# Altium PCB RFSOC_SAWG.PcbDoc (part 10 of 15)
Units mm, origin at the board's own origin, x right, y up, seen from the top; angles counter-clockwise.
Board outline 221.25 x 100 mm, 8 copper layers (Top Layer, Mid-Layer 2, Mid-Layer 3, Mid-Layer 4, Mid-Layer 5, Mid-Layer 6, Mid-Layer 7, Bottom Layer), stack 1.455 mm thick; 1107 components, 833 nets, 3980 pads, 2483 vias.
Unrouted connection lines stored in the file: 1.
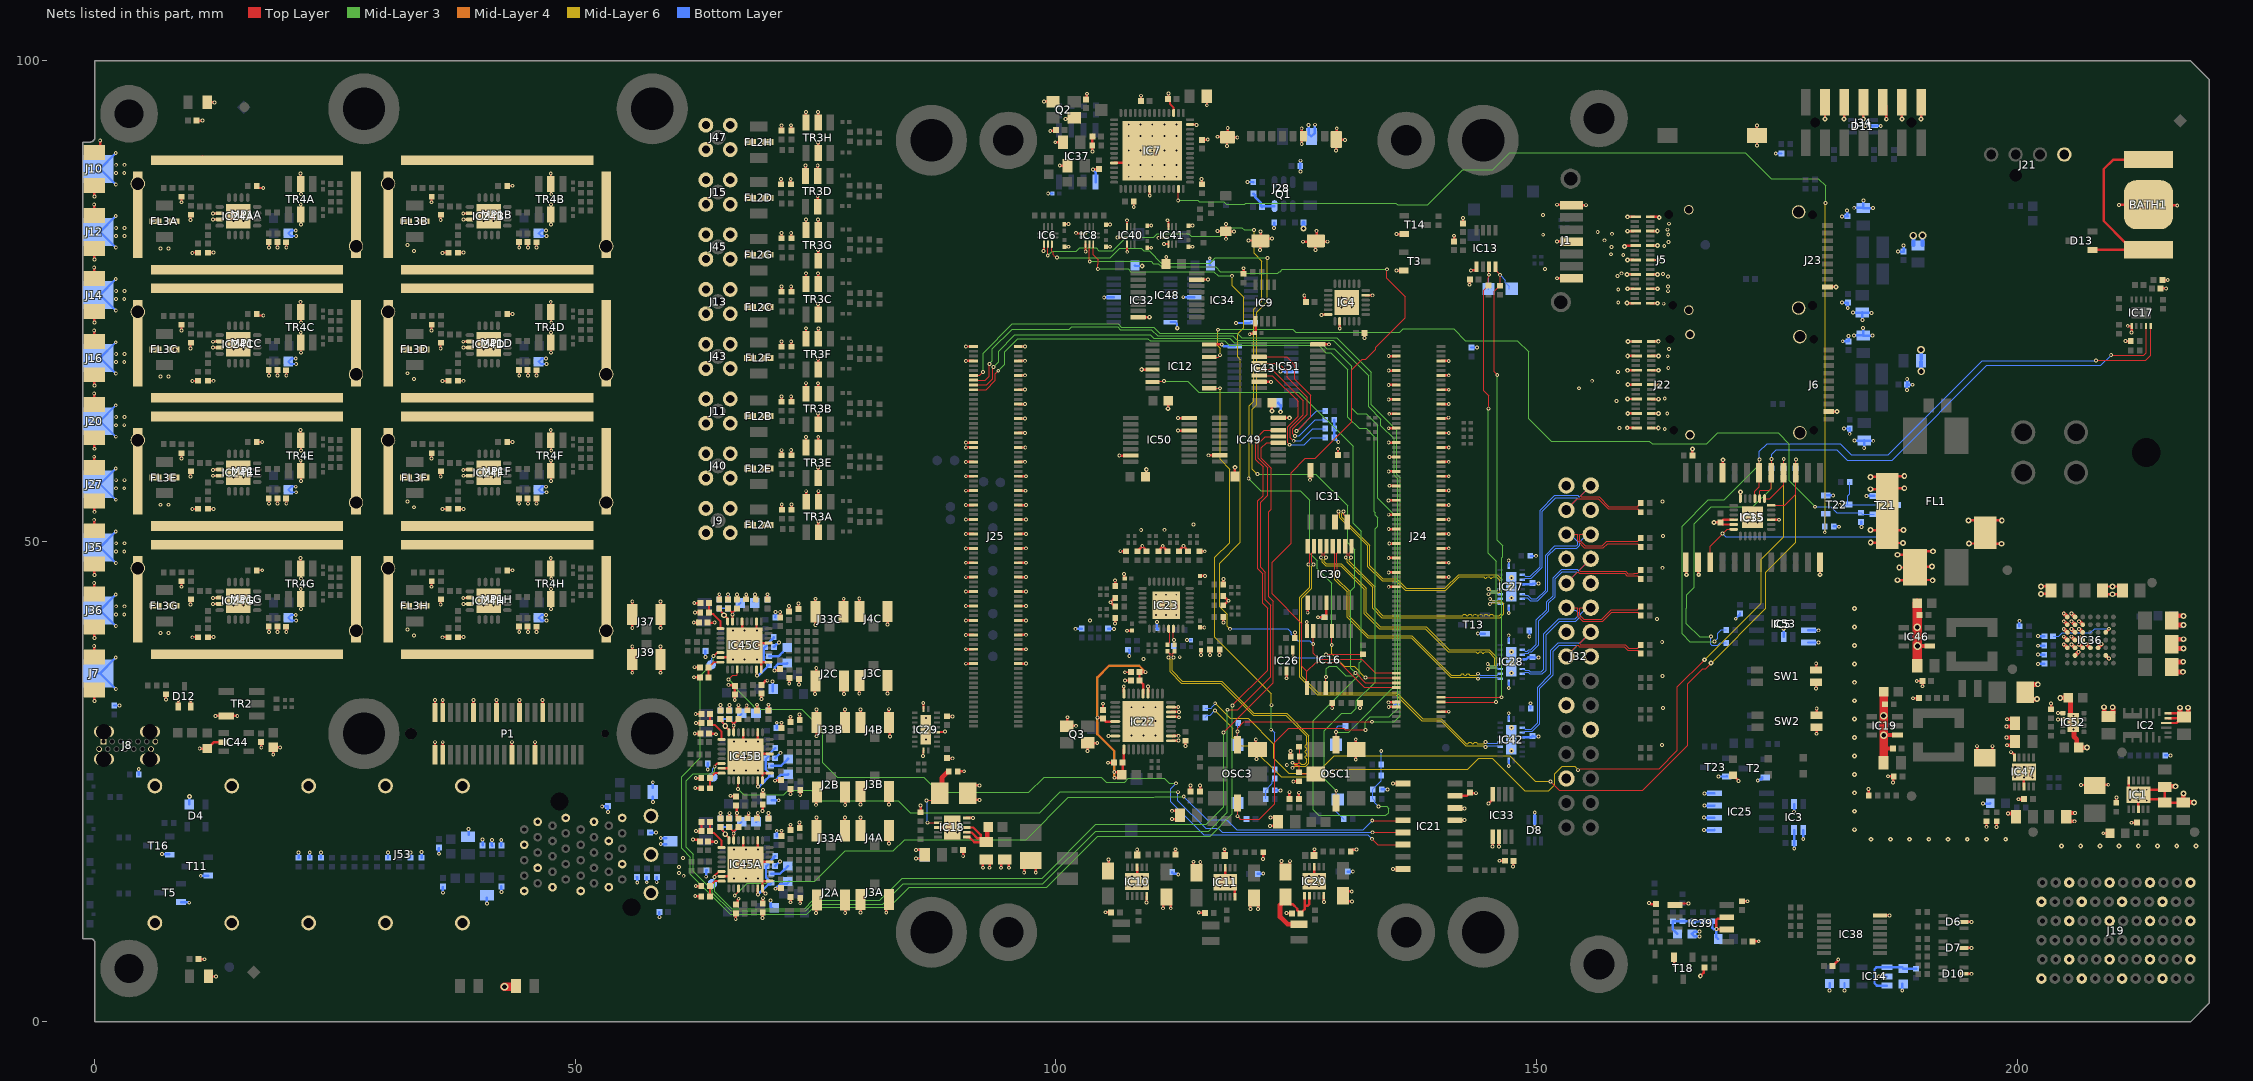
[diagram p16: the nets of this part, all layers, seen from the top]

## Via types
v1: diameter 0.4, hole 0.2, Top Layer to Bottom Layer, tented both sides, 1996 vias
v2: diameter 0.55, hole 0.2, Top Layer to Bottom Layer, 149 vias
v3: diameter 0.5, hole 0.2, Top Layer to Bottom Layer, tented both sides, 106 vias
v4: diameter 0.6, hole 0.3, Top Layer to Bottom Layer, tented both sides, 99 vias
v5: diameter 0.4, hole 0.15, Top Layer to Bottom Layer, tented both sides, 60 vias
v6: diameter 0.6, hole 0.3, Top Layer to Bottom Layer, 32 vias
v7: diameter 0.8, hole 0.5, Top Layer to Bottom Layer, tented both sides, 23 vias
v8: diameter 0.3/0.4/0.4/0.4/0.4/0.3 (per signal layer), hole 0.2, Top Layer to Bottom Layer, tented both sides, 12 vias
v9: diameter 0.4, hole 0.2, Top Layer to Bottom Layer, 5 vias
v10: diameter 0.5, hole 0.2, Top Layer to Bottom Layer, 1 vias

## Nets (pads, with @x,y where several pads share a name; then routed paths per layer and width w, separated by ;. In a path a pad name is that pad's centre, name@x,y a point inside that pad or via, vN(x,y) a via of type N, cw(c..) or ccw(c..) an arc to the next point about the centre after c; other vN are vias at no path point) (continued)
GND: (continued)
  Bottom Layer w0.5: v4@217.092,41.248 217.264,41.248 v4(217.315,41.299)
  other v1: 130.825,12.536 130.784,13.577 61.275,15.2 60.8,15.5 96.703,15.541 97.903,15.541 92.403,16.041 93.103,16.041 94.303,16.041 95.103,16.041 60.8,16.1 71.28,16.698 61.2,17.05 90.353,17.241 21.199,17.638 22.362,17.638 30.508,17.638 33.999,17.668 108.457,17.934 117.557,17.959 126.897,17.959 146.094,18.258 71.444,19.884 72.369,20.509 91.384,21.228 53.385,21.843 85.922,22.509 92.059,23.103 92.059,24.603 90.459,26.078 124.025,26.725 163.05,28.8 105.457,29.741 71.444,31.125 72.369,31.75 163.175,32.675 112.728,32.753 -0.038,33.385 107.059,34.911 109.581,34.907 163.125,36 109.116,37.745 112.883,37.943 204.862,39.279 163.083,39.527 -0.038,39.948 204.862,40.079 33.225,40.215 6.833,40.475 7.675,40.475 32.55,40.815 204.862,40.879 110.512,41.602 204.862,41.679 103.55,41.75 162.536,41.931 2.216,42.392 3.063,42.395 204.862,42.479 71.316,42.659 2.225,43.238 3.075,43.238 72.241,43.284 105.667,43.662 117.946,43.819 -0.062,45.677 -0.038,46.51 163.133,47.245 2.216,48.954 3.063,48.958 108.99,49.535 113.26,49.535 2.225,49.8 3.075,49.8 108.875,51.166 111.3,51.2 114.325,51.75 -0.062,52.24 -0.038,53.073 33.225,53.55 6.833,53.81 7.675,53.81 32.55,54.15 2.216,55.517 3.063,55.52 2.225,56.363 3.075,56.363 -0.062,58.802 -0.038,59.635 163.35,61.7 158.625,61.8 2.216,62.079 3.063,62.083 96.8,62.774 2.225,62.925 3.075,62.925 163.608,63.31 96.8,64.274 158.337,64.612 163.35,64.875 -0.062,65.365 154.429,65.931 -0.038,66.198 155.8,66.7 33.225,66.885 6.833,67.145 7.675,67.145 32.55,67.485 158.499,67.622 163.721,68.021 2.216,68.642 3.063,68.645 163.655,69.261 2.225,69.488 3.075,69.488 163.775,70.025 96.8,70.274 -0.062,71.927 -0.038,72.76 163.238,74.725 158.514,74.84 2.216,75.204 3.063,75.208 163.69,76.028 2.225,76.05 3.075,76.05 158.514,76.204 163.691,76.522 163.682,77.543 158.425,77.61 163.152,77.815 158.867,77.888 150.875,78.35 -0.062,78.49 -0.038,79.323 159.028,79.79 157.756,79.873 33.225,80.22 6.833,80.48 7.675,80.48 157.793,80.612 163.298,80.719 32.55,80.82 163.729,81.128 157.08,81.319 2.216,81.767 3.075,81.77 150.7,81.9 163.716,81.92 157.854,81.995 156.372,82.175 163.623,82.425 2.225,82.613 3.075,82.613 163.775,83.05 150.675,83.95 -0.062,85.052 -0.038,85.885 2.216,88.329 3.063,88.333 2.225,89.175 3.075,89.175 0.563,91.69
  other v2: 117.097,14.015 118.147,14.015 107.922,14.09 108.972,14.09 126.347,14.115 127.397,14.115 66.522,14.934 67.747,14.934 69.022,14.934 117.097,15.065 118.147,15.065 107.922,15.14 108.972,15.14 126.347,15.165 127.397,15.165 66.522,16.434 67.747,16.434 66.522,17.934 67.747,17.934 69.022,17.934 211.75,23.1 212.65,24.175 201.625,25.436 199.8,25.461 67.747,26.175 69.022,26.175 199.8,26.511 200.723,26.5 201.623,26.525 66.522,27.675 67.747,27.675 69.022,27.675 147.4,28.2 66.522,29.175 67.747,29.175 147.378,29.359 86.475,29.4 107.872,29.79 109.097,29.79 110.372,29.79 86.475,30.4 147.4,30.6 205.875,31.15 107.872,31.29 109.097,31.29 110.372,31.29 86.475,31.6 107.872,32.74 109.097,32.74 110.372,32.74 147.4,36.3 147.4,37.3 66.394,37.708 67.619,37.708 68.894,37.708 147.4,38.5 66.394,39.208 67.619,39.208 68.894,39.208 66.394,40.708 67.619,40.708 68.894,40.708 110.422,42.34 111.472,42.34 112.522,42.34 14.411,43.304 15.461,43.304 40.446,43.304 41.496,43.304 110.422,43.39 111.472,43.39 112.522,43.39 147.4,44.1 14.411,44.354 15.461,44.354 40.446,44.354 41.496,44.354 110.422,44.44 111.472,44.44 112.522,44.44 147.378,45.264 147.4,46.2 171.947,51.965 172.997,51.965 171.947,53.015 172.997,53.015 14.411,56.639 15.461,56.639 40.446,56.639 41.496,56.639 14.411,57.689 15.461,57.689 40.446,57.689 41.496,57.689 14.411,69.974 15.461,69.974 40.446,69.974 41.496,69.974 14.411,71.024 15.461,71.024 40.446,71.024 41.496,71.024 129.735,74.322 130.785,74.322 129.735,75.372 130.785,75.372 14.411,83.309 15.461,83.309 40.446,83.309 41.496,83.309 14.411,84.359 15.461,84.359 40.446,84.359 41.496,84.359 107.577,87.935 108.802,87.935 110.027,87.935 111.302,87.935 112.527,87.935 107.577,89.16 108.802,89.16 110.027,89.16 111.302,89.16 112.527,89.16 107.577,90.66 108.802,90.66 110.027,90.66 111.302,90.66 112.527,90.66 107.577,92.16 108.802,92.16 110.027,92.16 111.302,92.16 112.527,92.16 107.577,93.385 108.802,93.385 110.027,93.385 111.302,93.385 112.527,93.385
  other v3: 204.625,18.3 206.625,18.3 208.625,18.3 210.625,18.3 212.625,18.3 214.625,18.3 216.625,18.3 218.625,18.3 184.825,19 186.825,19 188.825,19 190.825,19 192.825,19 194.825,19 196.825,19 198.825,19 88.697,19.715 89.747,19.715 183.1,20 88.697,20.765 89.747,20.765 183.1,21.917 183.1,23.833 183.1,25.75 183.1,27.667 183.1,29.583 183.1,31.5 183.1,33.417 183.1,35.333 183.1,37.25 183.1,39.167 183.1,41.083 183.1,43
  other v4: 218.415,22.831 217.319,23.765 216.49,24.506 207.294,28.544 216.956,32.694 217.806,32.694 209.056,32.744 209.954,32.735 202.094,33.594 204.504,33.696 202.169,35.119 217.294,37.469 202.5,45.314 184.775,49.875 184.748,51.175 184.75,55.425 125.762,82.538
  other v6: 6.145,43.295 8.355,43.295 32.18,43.295 34.39,43.295 67.984,51.7 70.194,51.7 6.145,56.63 8.355,56.63 32.18,56.63 34.39,56.63 67.984,57.575 70.194,57.575 67.984,63.025 70.194,63.025 67.984,69.076 70.194,69.076 6.145,69.965 8.355,69.965 32.18,69.965 34.39,69.965 67.984,74.375 70.194,74.375 67.984,79.825 70.194,79.825 6.145,83.3 8.355,83.3 32.18,83.3 34.39,83.3 67.984,85.739 70.194,85.739 67.984,91.532 70.194,91.532
  other v7: 186.138,29.823 186.125,31.85 190.037,67.681 190.019,69.933 189.208,81.806 190.163,81.815
  other v9: 163.15,50.55 163.126,54.161
Helper_DCXO_OE: IC12.1 R89.1 R91.2 R97.1 R98.2 | length 47.9
  Top Layer w0.127: IC12.1@115.95,65.925 v1(117.077,65.925)
  Mid-Layer 3 w0.127: v1(122.4,30.4) 122.412,30.412 122.412,32.937 v1(122.425,32.95)
  Mid-Layer 6 w0.127: v1(117.077,65.925) 117.077,58.523 118.1,57.5 118.1,49.875 116.55,48.325 116.55,40.025 122.425,34.15 v1(122.425,32.95)
  Bottom Layer w0.127: R89.1@121.83,23.2 121.83,24.09 R91.2@121.82,24.1 121.82,24.12 122.534,24.833 122.534,25.073 R98.2@122.76,25.3 R97.1@122.76,26.25 122.76,30.09 122.45,30.4 v1(122.4,30.4)
Helper_DCXO_SCL: J25.148 OSC3.8 R50.1 TP24.1 | length 105.3
  Top Layer w0.127: J25.148@91.415,67.272 92.072,67.272 v1(92.425,67.625) ; OSC3.8@118.885,28.834 118.885,29.969 118.9,29.984 v1(118.9,30.2) 118.9,30.57 119.555,31.225 v1(132.875,31.225)
  Mid-Layer 3 w0.127: v1(92.425,67.625) 92.425,69.577 95.473,72.625 106.475,72.625 106.823,72.277 110.173,72.277 110.825,71.625 118.848,71.625 119.314,71.159 129.216,71.159 132.792,67.583 132.792,64.224 135.442,61.574 135.442,57.005 135.815,56.632 135.815,31.855 135.185,31.225 v1(132.875,31.225)
  Bottom Layer w0.127: TP24.1@118.885,28.834 118.9,28.85 v1(118.9,30.2) 118.9,31.04 R50.1@118.96,31.1
Helper_DCXO_SDA: J25.146 OSC3.7 R41.1 TP23.1 | length 112.7
  Top Layer w0.127: J25.146@91.415,66.772 92.672,66.772 93.075,67.175 v1(93.075,68.45) ; OSC3.7@118.885,22.784 118.9,22.769 v1(118.9,21.4) 119.2,21.1 121.175,21.1 122.767,22.692 122.767,29.092 124.21,30.535 129.965,30.535 130.125,30.375 v1(132.2,30.375)
  Mid-Layer 3 w0.127: v1(93.075,68.45) 93.4,68.775 93.4,70.025 95.45,72.075 101.385,72.075 101.625,72.315 106.425,72.315 106.718,72.023 109.927,72.023 110.581,71.369 118.406,71.369 118.87,70.905 128.87,70.905 132.538,67.237 132.538,64.003 133.817,62.724 133.817,62.025 135.188,60.655 135.188,56.9 135.561,56.527 135.561,32.586 134.7,31.725 132.7,31.725 132.2,31.225 v1(132.2,30.375)
  Bottom Layer w0.08: v1(118.9,21.4) 119.2,21.1 R41.1@119.83,21.1
  Bottom Layer w0.127: TP23.1@118.885,22.784 118.9,22.769 v1(118.9,21.4)
HW_REV0: IC51.11 R141.1 | length 16.1
  Top Layer w0.127: IC51.11@121.15,69.2 124.003,69.2 124.875,68.328 124.875,66.875 126.525,65.225 126.525,62.961 v1(125.039,61.475)
  Bottom Layer w0.127: v1(125.039,61.475) 127.139,63.575 R141.1@128.005,63.575
HW_REV1: IC51.12 R142.1 | length 15.4
  Top Layer w0.127: IC51.12@121.15,68.55 122.694,68.55 122.952,68.292 123.458,68.292 124.05,67.7 124.05,67.075 126.15,64.975 126.15,63.246 125.979,63.075 125.979,63.058 124.649,61.728 124.649,61.204 124.867,60.985 v1(124.867,60.977)
  Bottom Layer w0.127: v1(124.867,60.977) 125.32,60.977 126.993,62.65 R142.1@128.005,62.65
HW_REV2: IC51.13 R144.1 | length 14.6
  Top Layer w0.127: IC51.13@121.15,67.9 122.475,67.9 125.725,64.65 125.725,63.163 124.395,61.833 124.395,61.17 124.394,60.752 124.689,60.458 v1(124.742,60.458)
  Bottom Layer w0.127: v1(124.742,60.458) 125.47,60.458 126.738,61.725 R144.1@128.005,61.725
HW_REV3: IC51.14 R154.1 | length 14.2
  Top Layer w0.127: IC51.14@121.15,67.25 122.5,67.25 125.2,64.55 125.2,63.723 125.202,63.721 125.202,63.325 125.2,63.323 125.2,63 124.141,61.941 124.141,61.275 124.14,60.261 124.3,60.101 v1(124.3,60.05)
  Bottom Layer w0.127: v1(124.3,60.05) 125.825,60.05 126.575,60.8 R154.1@128.005,60.8
I2C0_1V8_SCL: IC13.3 J24.11 R166.1 TP14.1 | length 53.4
  Top Layer w0.127: J24.11@140.085,33.272 v1(145.8,33.272) v1@145.804,33.276 ; 144.5,74.875 144.5,65.675 145.025,65.15 v1(145.025,63.8) ; 144.5,74.875 144.5,76.139 144.98,76.62 R166.1@145,76.62 145,77.422 145.039,77.461 v1@145.039,77.675 ; v1(145.05,77.735) 145.05,77.675 v1@145.039,77.675 ; IC13.3@145.075,78.575 145.039,78.539 v1@145.039,77.675
  Mid-Layer 3 w0.127: v1(145.025,63.8) 144.975,63.75 144.975,48.773 145.225,48.523 ; 145.249,48.499 145.8,47.948 v1(145.8,33.272)
  Bottom Layer w0.127: TP14.1@145,76.25 145.05,76.3 v1(145.05,77.735)
I2C0_1V8_SDA: IC13.4 J24.13 R165.1 TP13.1 | length 53.8
  Top Layer w0.127: J24.13@140.085,33.772 146.372,33.772 v1(146.375,33.775) ; IC13.4@145.725,78.575 145.861,78.439 145.861,78.079 v1(146.211,77.73) R165.1@146.211,76.6 146.191,76.6 145.6,76.01 145.6,67.625 v1(145.925,67.3)
  Mid-Layer 3 w0.127: v1(145.925,67.3) 145.925,50.098 146.49,49.532 146.49,48.415 146.375,48.3 v1(146.375,33.775)
  Bottom Layer w0.127: v1(146.211,77.73) 146.775,77.165 146.775,76.921 146.849,76.847 146.854,76.847 147.15,76.55 TP13.1@147.15,76.25
I2C_CDR_SCL: IC15.13 IC35.16 R57.1 R86.1 | length 98.9
  Top Layer w0.127: v1(154.334,26.188) 154.383,26.188 154.554,26.359 156.085,26.359 156.094,26.35 162.775,26.35 164.675,28.25 164.675,34.85 v3(167.5,37.675) ; IC15.13@173.725,54.45 174.25,54.45 175.705,55.905 IC35.16@175.705,57.125 175.73,57.15 v1(175.73,58.55)
  Mid-Layer 6 w0.127: v1(116.55,32.4) 118.4,30.55 118.4,29.625 119.27,28.755 120.195,28.755 123.45,25.5 128.25,25.5 129.05,26.3 142.85,26.3 143.986,27.436 145.406,27.436 148.794,24.048 151.3,24.048 151.925,24.673 151.925,25.825 152.7,26.6 153.974,26.6 154.334,26.24 v1(154.334,26.188) ; v3(167.5,37.675) 173.407,43.582 173.407,48.157 175.73,50.48 v1(175.73,58.55)
  Bottom Layer w0.127: R86.1@115.534,31.675 115.534,31.695 115.761,31.921 116.071,31.921 v1(116.55,32.4) ; R57.1@175.705,57.595 175.73,57.62 v1(175.73,58.55)
I2C_CDR_SDA: IC15.12 IC35.15 R55.1 R84.1 | length 100.7
  Top Layer w0.127: v1(151.45,25.025) 152.016,24.459 152.375,24.1 161.075,24.1 165.75,28.775 165.75,35.198 167.308,36.756 167.606,36.756 v3(168.175,37.325) ; IC15.12@174.425,53.75 175.85,53.75 176.975,54.875 IC35.15@176.975,57.125 177,57.15 v1(177,58.52)
  Mid-Layer 6 w0.127: v1(116.575,33.15) 118.15,31.575 120,31.575 122.682,28.893 122.682,27.418 124.21,25.89 127.14,25.89 128.94,27.69 147.235,27.69 149.9,25.025 v1(151.45,25.025) ; v3(168.175,37.325) 173.875,43.025 173.875,46.775 177,49.9 v1(177,58.52)
  Bottom Layer w0.127: R84.1@115.534,32.648 116.173,32.648 116.343,32.818 116.343,32.844 116.575,33.076 v1(116.575,33.15) ; R55.1@176.975,57.565 177,57.59 v1(177,58.52)
I2C_SCL_SNS: IC15.15 IC17.10 IC35.18 R102.1 R174.1 | length 83.1
  Top Layer w0.127: IC15.15@172.725,54.45 172.725,55.225 173.165,55.665 IC35.18@173.165,57.125 173.19,57.15 v1(173.19,58.52) ; v1(208.225,68.8) 208.25,68.825 213.375,68.825 213.925,69.375 IC17.10@213.925,72.4
  Mid-Layer 3 w0.127: v9(168.513,39.588) 168.5,39.575 165.95,39.575 165.159,40.366 165.159,51.584 167.896,54.321 169.551,54.321 173.19,57.96 v1(173.19,58.52)
  Bottom Layer w0.127: v9(168.513,39.588) 168.85,39.925 168.85,40.425 169.203,40.778 R174.1@169.731,40.778 ; R102.1@173.165,57.565 173.19,57.59 v1(173.19,58.52) 173.19,59.365 174,60.175 181.625,60.175 182.775,59.025 186.6,59.025 196.375,68.8 v1(208.225,68.8)
I2C_SDA_SNS: IC15.14 IC17.9 IC35.17 R101.1 R230.1 | length 82.7
  Top Layer w0.127: IC15.14@173.225,54.45 173.225,55.226 173.299,55.3 174.2,55.3 174.435,55.535 IC35.17@174.435,57.125 174.46,57.15 v1(174.46,58.55) ; v1@209.85,69.35 213.175,69.35 213.425,69.6 IC17.9@213.425,72.4
  Mid-Layer 3 w0.127: v9(168.166,40.1) 168.116,40.05 166.975,40.05 165.6,41.425 165.6,43.025 165.65,43.075 165.65,44.445 166.43,45.225 166.43,51.805 168.2,53.575 172.5,53.575 174.46,55.535 v1(174.46,58.55)
  Bottom Layer w0.127: v9(168.166,40.1) 168.122,40.056 168.122,39.302 168.249,39.175 168.875,39.175 169.125,39.425 R230.1@169.73,39.425 ; R101.1@174.435,57.595 174.46,57.62 v1(174.46,58.55) 174.46,59.06 174.95,59.55 181.25,59.55 182.35,58.45 187.025,58.45 196.875,68.3 208.725,68.3 v1(209.8,69.375)
I2C_SW_RESET: IC12.6 R171.2 T21.1 | length 87.8
  Top Layer w0.127: IC12.6@115.95,69.175 116.887,69.175 117.078,69.366 v1(117.088,69.366)
  Mid-Layer 3 w0.127: v1(116.85,72.015) 116.902,72.068 124.657,72.068 124.964,71.761 130.284,71.761 130.288,71.766 135.791,71.766 136.125,72.1 141.391,72.1 142.616,70.875 148.025,70.875 149.197,69.703 149.197,62.778 151.55,60.425 161.75,60.425 162.025,60.15 167.725,60.15 168.85,61.275 175.15,61.275 176.3,60.125 176.3,56.3 v1(179,53.6)
  Mid-Layer 6 w0.127: v1(116.85,72.015) 116.831,71.996 116.831,70.347 117.088,70.091 v1(117.088,69.366)
  Bottom Layer w0.127: v1(179,53.6) 180.6,53.6 181.245,52.955 R171.2@183.775,52.955 183.905,52.825 T21.1@185.15,52.825
I2C_SW_RESET2: IC7.27 R172.2 T22.1 | length 110.6
  Top Layer w0.127: v1(112.725,85.475) 112.74,85.49 112.74,86.655 IC7.27@112.755,86.67
  Mid-Layer 3 w0.127: v1(112.725,85.475) 114.744,85.475 114.901,85.318 117.457,85.318 117.7,85.075 119.665,85.075 119.766,85.176 135.387,85.176 135.563,85 138.675,85 142.325,88.65 145.45,88.65 147.225,90.425 171.75,90.425 174.425,87.75 179.325,87.75 180.081,86.994 v1(180.081,85.193)
  Mid-Layer 6 w0.127: v1(179.993,50.938) 180.037,50.981 180.037,85.149 v1(180.081,85.193)
  Bottom Layer w0.127: v1(179.993,50.938) 179.993,51.537 R172.2@179.98,51.55 179.98,52.755 T22.1@180.1,52.875
I2C_SW_RESET_N: IC15.24 IC35.3 R170.1 T21.3 T22.3 | length 33.8
  Top Layer w0.127: IC35.3@168.085,47.825 168.085,49.485 169.85,51.25 IC15.24@170.525,51.25
  Bottom Layer w0.127: v1(169.375,50.8) 169.675,50.5 185.975,50.5 187.35,51.875 187.35,53.675 T21.3@187.45,53.775 187.4,53.825 T22.3@182.4,53.825 ; v1(181.55,53.8) 181.575,53.825 T22.3@182.4,53.825 ; R170.1@182.62,56.15 182.62,54.97 182.4,54.75 T22.3@182.4,53.825
JTAG_TCK: IC6.4 IC16.4 J24.22 | length 84.6
  Top Layer w0.093: v1(128.7,39.2) 128.7,40.625 IC16.4@128.725,40.65
  Top Layer w0.127: v1(99.15,79.725) 99.162,79.737 99.162,80.913 IC6.4@99.175,80.925 ; v1(132.209,35.825) 132.236,35.799 135.389,35.799 J24.22@135.415,35.772
  Mid-Layer 3 w0.127: v1(99.15,79.725) 99.6,80.175 102.125,80.175 102.49,80.54 104.191,80.54 104.472,80.26 105.935,80.26 107.316,81.64 110.188,81.64 110.538,81.99 113.832,81.99 114.063,81.76 117.135,81.76 118,82.625 119.35,82.625 119.575,82.4 v1(120.625,82.4) ; v1(120.06,56.525) 121.334,55.25 125.427,55.25 126.4,54.277 126.4,48.775 127.2,47.975 127.2,47.134 128.7,45.634 v1(128.7,39.2)
  Mid-Layer 6 w0.127: v1(120.06,56.525) 120.1,56.566 120.1,64.1 120.575,64.575 120.575,74.15 121.425,75 121.425,79.156 120.625,79.956 v1(120.625,82.4) ; v1(128.7,39.2) 128.7,38.3 130,37 131.035,37 v1(132.209,35.825)
JTAG_TDI: IC6.5 IC16.12 J24.20 | length 87.4
  Top Layer w0.093: IC16.12@128.075,34.75 128.1,34.775 v1(128.1,35.9)
  Top Layer w0.127: IC6.5@99.575,80.925 99.575,80.2 99.7,80.075 99.7,79.8 99.774,79.726 99.851,79.726 100.051,79.525 v1(100.125,79.525) ; v1(131.179,36.304) 132.209,35.274 J24.20@135.415,35.272 J24.20@135.415,35.272
  Mid-Layer 3 w0.127: v1(100.125,79.525) 105.675,79.525 106.666,80.516 108.86,80.516 109.15,80.225 109.698,80.225 110.973,78.95 116.071,78.95 116.605,79.484 v1(122.002,79.484) ; v1(120.975,57) 127.05,57 130.35,53.7 130.35,49.843 131.079,49.114 131.079,45.258 130.675,44.854 130.675,36.807 v1(131.179,36.304) 130.9,36.025 130.15,36.025 129.15,37.025 128.425,37.025 128.125,36.725 128.125,35.925 v1(128.1,35.9)
  Mid-Layer 6 w0.127: v1(120.975,57) 120.45,57.525 120.45,63.748 120.9,64.198 120.9,73.825 122.002,74.927 v1(122.002,79.484)
JTAG_TDO: IC8.4 IC16.9 J24.18 | length 96.6
  Top Layer w0.127: IC8.4@103.483,80.925 103.483,80.319 103.49,80.312 103.49,79.16 v1(103.525,79.125) ; IC16.9@126.125,34.75 126.125,36.475 ; v1(134.437,78.303) 134.437,77.388 136.375,75.45 136.375,73.275 133.3,70.2 133.3,69.975 132.25,68.925 131.87,68.925 130.775,67.83 130.775,62.425 126.975,58.625 125.95,58.625 124.475,57.15 124.475,49.775 122.51,47.81 122.51,44.54 125.6,41.45 125.6,37 126.125,36.475 ; J24.18@135.415,34.772 135.376,34.811 132.089,34.811 129.486,37.414 127.064,37.414 126.125,36.475
  Mid-Layer 3 w0.127: v1(103.525,79.125) 109.925,79.125 110.15,78.9 110.664,78.9 111.014,78.55 116.65,78.55 117.125,78.075 119.308,78.075 119.47,77.913 123.102,77.913 123.265,78.075 123.323,78.075 123.575,78.327 134.423,78.327 v1@134.45,78.3
JTAG_TMS: IC8.5 IC16.7 J24.24 | length 77.3
  Top Layer w0.127: IC8.5@103.883,80.925 103.883,79.817 104.425,79.275 104.425,78.882 104.359,78.817 v1(104.359,78.35) ; IC16.7@126.775,40.65 v1(126.775,39.3) 126.775,38.375 127.425,37.725 131.8,37.725 133.214,36.311 135.376,36.311 J24.24@135.415,36.272
  Mid-Layer 3 w0.127: v1(104.359,78.35) 107.537,78.35 107.812,78.075 116.425,78.075 116.875,77.625 v1(118.335,77.625)
  Mid-Layer 6 w0.127: v1(118.1,40.9) 117.85,41.15 117.85,42.4 117.041,43.209 117.041,47.741 119.2,49.9 119.2,68.9 118.898,69.202 118.898,71.575 119.554,72.231 119.554,75.371 118.335,76.59 v1(118.335,77.625)
  Bottom Layer w0.127: v1(118.1,40.9) 118.108,40.892 124.142,40.892 124.476,40.559 124.476,40.337 125.163,39.65 126.425,39.65 v1(126.775,39.3)
JTAG_TRSTn: IC26.4 R32.2 | length 8.2
  Top Layer w0.093: IC26.4@124.65,38.7 124.7,38.65 v1(124.7,37.9)
  Top Layer w0.127: v1(128.117,38.233) 131.928,38.233 R32.2@131.95,38.255
  Bottom Layer w0.093: v1(124.7,37.9) 127.784,37.9 v1(128.117,38.233)
LEA: IC21.4 IC45A.3 | length 76.6
  Top Layer w0.127: v1(66.584,13.144) 66.584,13.186 66.977,13.579 IC45A.3@66.977,13.895 ; v1(132.919,20.949) 136.089,20.949 IC21.4@136.125,20.985
  Mid-Layer 3 w0.127: v1(66.584,13.144) 67.89,14.45 69.866,14.45 70.04,14.624 74.9,14.624 78.076,17.8 83.1,17.8 84.275,18.975 96.9,18.975 101.275,23.35 110.205,23.35 110.305,23.45 v1(113.3,23.45)
  Bottom Layer w0.127: v1(113.3,23.45) 115.725,21.025 117.769,21.025 118.799,19.995 131.965,19.995 v1(132.919,20.949)
LEB: IC21.5 IC45B.3 | length 74.7
  Top Layer w0.127: v1(66.907,24.246) 66.938,24.276 66.938,24.7 66.942,24.704 66.942,25.102 IC45B.3@66.975,25.135 ; v1(132.95,19.725) 136.115,19.725 IC21.5@136.125,19.715
  Mid-Layer 3 w0.127: v1(66.907,24.246) 67.528,23.625 71.691,23.625 72.145,24.079 74.521,24.079 75.581,23.019 83.606,23.019 84.85,21.775 98.3,21.775 100.475,23.95 112.65,23.95 v1(112.7,23.9)
  Bottom Layer w0.127: v1@112.7,23.898 112.7,23.025 115.575,20.15 116.875,20.15 117.3,19.725 v1(132.95,19.725)
LEC: IC21.6 IC45C.3 | length 84.6
  Top Layer w0.127: v1(65.952,35.619) 65.952,35.625 66.38,36.052 66.772,36.052 66.847,36.127 IC45C.3@66.847,36.668 ; v1(132.875,19.05) 133.48,18.445 IC21.6@136.125,18.445
  Mid-Layer 3 w0.127: v1(65.952,35.619) 66.015,35.619 66.35,35.285 66.35,35.071 68.518,32.903 68.518,32.832 68.824,32.525 73.55,32.525 75.725,30.35 75.725,26.95 77.225,25.45 86.25,25.45 87.825,23.875 97.2,23.875 98.8,25.475 104.7,25.475 105.225,24.95 107.15,24.95 107.525,25.325 111.275,25.325 111.775,24.825 v1(112.5,24.825)
  Bottom Layer w0.127: v1(112.5,24.825) 111.935,24.26 111.935,22.915 115.38,19.47 132.455,19.47 v1(132.875,19.05)
LVDS_DUAL_N0: IC27.4 J32.3 R235.2 | length 23.3
  Top Layer w0.093: J32.3@153.114,53.258 154.268,54.412 156.427,54.412 157.449,53.39 160.557,53.39 160.612,53.336 160.612,53.268 R235.2@160.855,53.025